# Altium PCB 0416.PcbDoc (part 2 of 3) (continued)
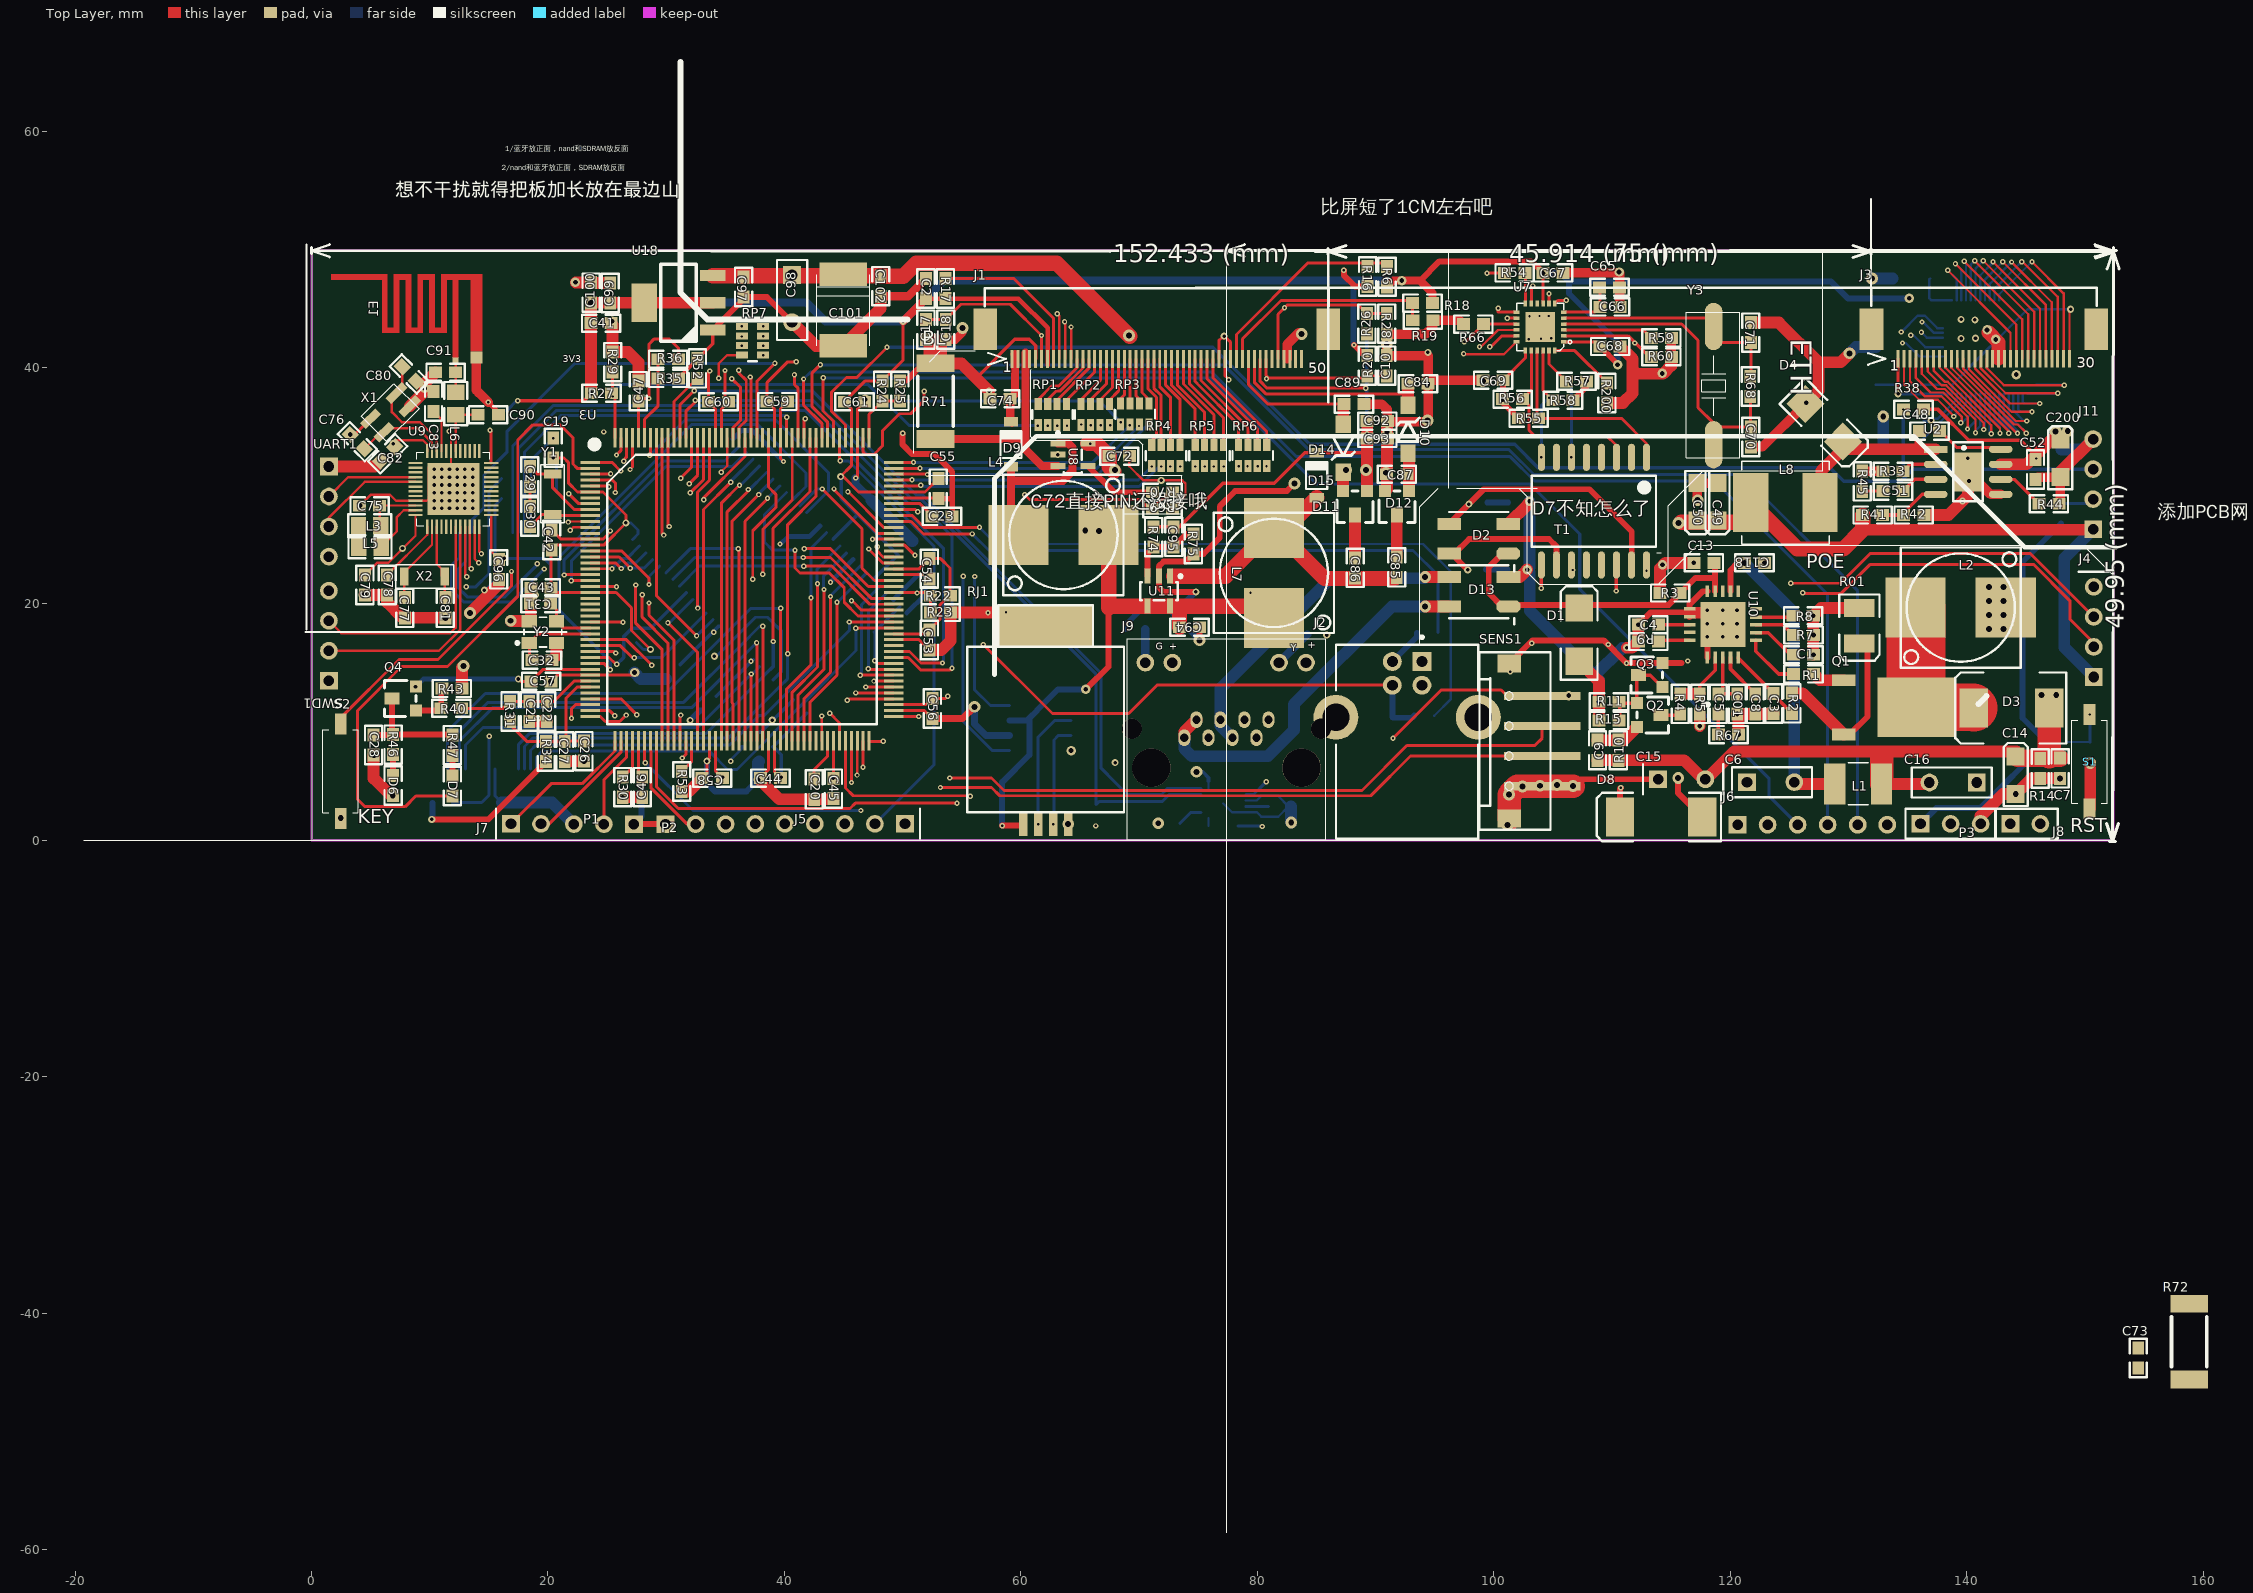
[diagram p0: Top Layer view]
## Nets (pads, with @x,y where several pads share a name; then routed paths per layer and width w, separated by ;. In a path a pad name is that pad's centre, name@x,y a point inside that pad or via, vN(x,y) a via of type N, cw(c..) or ccw(c..) an arc to the next point about the centre after c; other vN are vias at no path point) (continued)
  Top Layer w0.2: C75.1@4.075,28.3 5.025,29.25 6.625,29.25 7.15,28.725 U9.45@8.8,28.725 9.75,28.725 9.918,28.893 9.918,29.07 10.061,29.07 9.918,29.213 U9.49@9.918,29.731 ; U9.49@10.061,29.731 U9.49@9.918,29.731 ; v1(11.65,34.6) 11.8,34.45 U9.31@11.8,32.925 11.8,31.833 10.183,31.833 9.918,31.569 U9.49@9.918,29.731 ; C72.1@69.175,32.5 69.175,31.65 70.375,30.45 73.65,30.45 73.925,30.175 73.925,29.15 R69.2@72.825,28.05 ; J3.30@148.703,40.75 148.703,44.828 v3(148.8,44.925)
  Top Layer w0.25: U3.22@23.6,21.475 25.775,21.475 v1(25.8,21.45) ; J1.36@76.75,40.725 76.75,42.275 76.975,42.5 77.375,42.5 77.75,42.125 J1.38@77.75,40.725 ; v3(134.2,37.775) 134.203,37.778 J3.1@134.203,40.75
  Top Layer w0.254: v4(3.273,34.327) 3.671,34.327 X1.2@4.999,35.655 ; v3(14.625,21.175) v3@14.625,21.309 ; C21.1@18.425,10.05 C21.1@18.425,10.175 ; C30.2@18.475,28.25 C29.2@18.475,29.925 18.475,30.6 v1(18.55,30.525) ; C22.1@19.9,10.05 C22.1@20.1,10.05 ; v2(20.275,13.45) 20.8,13.975 U3.37@23.6,13.975 23.6,13.971 27.097,13.971 v4(27.326,14.201) ; C42.1@20.325,26.25 21.1,25.475 U3.14@23.6,25.475 24.65,25.475 25.3,26.125 25.3,26.153 v1(25.276,26.176) ; C58.1@33.05,5.275 33.45,5.675 v3(33.45,6.7) 33.666,6.916 U3.61@33.666,8.409 ; U3.158@34.666,34.04 34.666,36.491 C60.1@35.275,37.1 34.975,37.4 v1@34.975,39.725 ; C44.1@37.975,5.275 38.665,5.966 U3.71@38.665,8.409 ; v1(39.925,32.05) 39.665,32.31 U3.148@39.665,34.04 39.665,36.54 C59.1@40.25,37.125 ; v1(46.025,30.65) 46.166,30.791 U3.135@46.166,34.04 46.166,36.491 C61.1@46.775,37.1 ; U3.90@49.231,10.975 51.85,10.975 C56.1@52.525,10.3 ; U3.102@49.231,16.975 51.394,16.975 C53.1@52.269,16.1 ; U3.113@49.231,22.475 v1(51.919,22.475) C54.1@52.269,22.125 ; U3.126@49.231,28.975 52.95,28.975 C55.1@53.025,28.9 ; C54.1@52.147,22.003 C54.1@52.35,21.8
  Top Layer w0.3: R35.1@31.025,39.075 33.95,42 U18.1@33.95,43.175 ; 56.15,39.175 56.3,39.175 59.5,42.375 60.7,42.375 61.25,41.825 J1.5@61.25,40.725
  Top Layer w0.4: v1(14.95,37.075) 15.8,36.225 C90.1@15.8,36 ; v1(20.45,34.025) C19.2@20.45,34.05
  Top Layer w0.5: U18.1@33.95,43.175 36.55,45.775 C97.1@36.55,45.95 38.525,45.95 C98.2@40.65,43.825 ; R25.2@49.775,38.875 50.3,38.875 51.775,40.35 R71.1@52.775,40.35 ; v1(50,34.425) 50,33.475 50.8,32.675 52.7,32.675 54.2,31.175 54.2,28.875 ; C55.1@53.025,28.9 54.175,28.9 54.2,28.875 ; C23.1@54.175,27.4 54.2,27.425 54.2,28.875 ; v3(74.8,21.025) 72.05,21.025 71.675,21.4 U11.2@71.675,22.35 71.675,23.175 72.075,23.575 73.95,23.575 R75.2@74.6,24.225 75.45,24.225 76.825,25.6 76.825,28.25 78.125,29.55 82.5,29.55 v2(83.15,30.2) ; v2(75.125,16.925) C94.1@75.125,18.025 ; v1(87.325,48.225) 87.325,47.8 88.275,46.85 R16.2@89.325,46.85 ; SENS1.5@101.3,14.953 103.272,16.925 109.3,16.925 v1(111.234,14.991) Q3.2@114.266,14.991 115.891,14.991 ; 104.685,5.175 C15.1@113.9,5.175
  Top Layer w0.6: C56.1@52.525,10.3 55.075,10.3 v2(56.075,11.3)
  Top Layer w0.7: C102.1@48.15,46.025 50.475,46.025 C2.1@51.975,47.525 ; 52.75,42.35 C18.1@53.65,42.35 54.475,42.35 55.075,42.95 55.075,43.349 v2(55.078,43.352)
  Top Layer w0.8: 82.525,40.725 82.525,41.95 83.5,42.925 83.656,42.925 v2(83.754,42.827) ; C89.1@89.025,36.9 90.525,36.9 90.975,36.45 90.975,35.475 91.025,35.425 94.45,35.425 C84.2@94.45,38.625 ; R66.2@97.425,43.675 97.1,44 R19.2@94.85,44 94.85,43.45 94.225,42.825 90.975,42.825 R28.2@90.95,42.85 C10.1@90.95,41 94.45,41 C84.2@94.45,38.625 ; C69.1@99.1,38.925 94.75,38.925 C84.2@94.45,38.625 ; C67.1@105.875,48 110.65,48 C65.1@110.65,46.775 C66.1@110.65,45.15 ; R60.1@115.025,40.9 R59.1@115.025,42.5 ; v2(117.25,28.775) 117.225,28.775 C50.1@117.225,30.226 C49.1@118.925,30.226 ; C70.2@121.75,33.275 122.718,33.275 D4.1@126.359,36.916 ; R45.2@131.175,31.225 R33.2@133.05,31.225 ; U2.9@140.125,31.175 142.03,29.27 U2.5@142.875,29.27 ; C52.1@145.825,30.525 146.024,30.724 C200.1@147.925,30.724 147.925,28.6 R44.2@147.8,28.475
  Top Layer w1: UART1.1@1.475,31.625 5.375,31.625 C82.2@5.848,32.098 ; C79.2@4.525,20.75 C78.2@6.4,20.75 6.4,20.124 7.699,18.825 C77.2@7.9,18.825 C81.2@11.325,18.825 ; C28.1@5.25,7.225 5.25,5.249 6.699,3.8 D6.2@6.9,3.8 ; X1.4@8.322,36.716 9.581,37.975 9.581,38.681 C91.1@10.5,39.6 ; R43.1@12.725,12.85 12.725,14.625 v2(12.85,14.75) ; v2(13.4,19.225) 15.85,21.675 C96.2@15.85,22.075 ; v2(16.85,18.575) 16.875,18.55 Y2.4@18.425,18.55 18.55,18.675 C43.1@18.55,21.375 ; C21.1@18.425,10.05 C22.1@19.9,10.05 ; C32.1@20.35,15.25 20.725,15.625 Y2.2@20.725,16.7 ; C27.1@21.425,6.675 21.45,6.7 v2(23.05,6.7) ; v4@22.35,47.175 C100.1@23.65,47.175 ; C100.1@23.675,47.15 C99.1@25.275,47.15 ; C41.2@25.475,43.625 R29.2@25.475,41.3 26.8,41.3 27.65,40.45 C47.1@27.65,38.85 ; v4(26.325,3.65) C46.1@27.975,3.65 ; R53.1@31.325,4.125 31.9,4.125 C58.1@33.05,5.275 ; C44.1@37.975,5.275 37.975,5.074 39.574,3.475 C20.1@42.525,3.475 44.1,3.475 C45.1@44.15,3.525 ; C98.2@40.65,43.825 42.65,41.825 C101.2@44.975,41.825 48.15,45 C102.1@48.15,46.025 ; C53.1@52.269,16.1 53.275,16.1 54.069,16.894 R23.2@54.069,19.275 61.096,19.275 RJ1.5@62.172,18.199 ; R71.1@52.775,40.35 54.975,40.35 56.15,39.175 v3(57.325,38) ; D12.2@90.809,29.541 90.975,29.707 C92.1@90.975,35.475 ; R200.2@109.575,37 110.925,37 111.75,37.825 111.75,39.825 ; C68.1@110.7,41.775 111.75,40.725 111.75,39.825 ; R60.1@115.025,40.9 115.025,40.175 114.325,39.475 112.1,39.475 111.75,39.825 ; C71.2@121.75,43.8 124.125,43.8 127.475,40.45 ; D4.1@126.359,36.916 127.475,38.032 127.475,40.45 ; v2(130.1,41.2) 129.35,40.45 127.475,40.45 ; R42.2@136.375,27.525 138.475,27.525 140.125,29.175 U2.9@140.125,31.175 ; P3.3@141.18,1.4 141.18,2.055 143.049,3.924 v2(144.15,3.924) 145.451,5.225 R14.1@146.225,5.225 146.25,5.25 v2(147.9,5.25) ; C200.1@147.925,30.724 147.925,31.17 J11.4@150.7,33.945 ; S1.2@150.45,2.7 v2(150.45,6.55)
  Top Layer w1.2: v4@141.875,42.95 142.703,42.122 J3.18@142.703,40.75
  Top Layer w2: R71.1@52.775,40.844 52.775,41.831 ; SENS1.5@101.3,1.847 v2(101.3,3.875) 102.015,4.59 SENS1.1@104.1,4.59 v2(106.7,4.59)
  Signal Layer 2 w0.7: v2(55.078,43.352) v2@55.101,43.375
  Signal Layer 2 w0.8: v2@83.675,42.906 v2(83.754,42.827)
  Bottom Layer w0.2: U12.18@75.875,1.225 U12.0@75.875,1.875 ; U12.0@75.875,4.375 U12.1@75.875,5.025 ; U12.0@77.125,3.125 77.875,2.375 U12.11@79.025,2.375 79.975,2.375 80.35,2 81.775,2 82.65,2.875 81.75,3.775 80.35,3.775 79.95,3.375 U12.9@79.025,3.375 ; U6.69@141.95,41.725 145.15,44.925 U6.1@145.9,44.925 v3(148.8,44.925)
  Bottom Layer w0.25: v3@33.975,15.575 34.255,15.575 U5.12@35.652,16.973 37.555,18.875 38.575,18.875 39.375,18.075 ; v1(35.475,6.7) 35.475,6.85 C35.1@36.575,7.95 C35.1@36.35,7.95 ; v3(134.2,37.775) U6.34@138.75,37.775 138.75,38.525 U6.69@141.95,41.725
  Bottom Layer w0.254: v3(14.625,21.175) v3@14.625,21.278 ; v3@14.85,21.325 15.525,22 U4.13@15.525,26.025 15.525,28.35 C25.1@16.075,28.9 ; U4.36@15.525,6.025 15.525,3.775 C24.1@16.1,3.2 ; v1(18.55,30.525) 18.55,32.125 v1(20.45,34.025)
  Bottom Layer w0.3: U5.6@39.047,13.578 39.725,14.257 39.725,17.725 39.375,18.075 ; v2(74.85,5.8) 75.375,5.8 75.875,5.3 U12.1@75.875,5.025
  Bottom Layer w0.4: U5.28@35.652,33.943 36.384,34.675 37.275,34.675 39.875,32.075 v1@39.925,32.075 ; v1@39.663,25.037 40.321,25.696 42.114,25.696 U5.41@43.006,26.589 ; v1(43.9,21.825) U5.46@45.835,23.761 ; U5.52@49.229,20.367 51.337,22.475 v1(51.919,22.475) 51.919,20.794 U5.54@50.36,19.235
  Bottom Layer w0.5: v3(32.025,10.15) 32.875,11 C36.1@33,11 ; v3(33.45,6.7) 33.45,4.825 34.125,4.15 36.8,4.15 v4(37.775,5.125) ; R64.2@68.85,17.875 68.85,18.225 70.275,19.65 72.4,19.65 72.95,19.1 ; v3(74.8,21.025) 72.95,19.175 72.95,19.1 ; v2(75.125,16.925) 72.95,19.1
  Bottom Layer w0.6: v2(56.075,11.3) 56.075,9.845 57.055,8.865 U10.2@59.05,8.865
  Bottom Layer w0.7: v1(46.025,30.65) 46.025,30.1 C39.1@47.35,28.775
  Bottom Layer w1: C24.1@16.1,3.2 20.37,3.2 P1.3@22.195,1.375 ; v4(27.326,14.201) 27.326,14.174 27.85,13.65 C37.1@29.975,13.65 ; v4(37.775,5.125) 37.775,6.6 C34.1@37.875,6.7 ; C39.1@47.35,28.775 50.8,25.325 C40.1@50.825,25.325 ; C117.1@82.85,2.875 82.85,1.55 v2(82.875,1.525) ; v2(130.1,41.2) 130.626,41.726 C62.1@132.325,41.726 ; v2(132,47.525) C33.1@133.749,47.525 ; C63.1@132.949,33.55 v2(132.949,35.85) ; R50.1@148.025,33.075 149.83,33.075 J11.4@150.7,33.945
  other v1: 101.4,14.25 116.4,15.175 52.1,16.075 109.675,16.575 103.225,16.675 57.225,19.25 58.75,19.3 39.625,25.075 69.05,32.75 34.975,39.75 32.925,40.95 102.95,42.4 104,42.425 104.85,42.475 103.025,44.325 103.875,44.35 104.65,44.35
  other v2: 101.175,1.3 64.005,1.375 71.625,1.45 2.475,1.9 6.875,3.8 102.425,4.55 103.9,4.625 105.35,4.675 5.275,7.2 141.9,17.875 143.125,17.875 11.35,18.825 141.9,19.058 143.125,19.058 141.9,20.242 143.125,20.242 4.5,20.75 141.9,21.425 143.125,21.425 90.875,31.1 94.4,35.525 94.375,38.55 99.075,38.85 90.95,41.975
  other v3: 19.175,10.325 20.325,15.275 34.075,15.575 85.875,17.375 18.95,20.75 139.65,28.7 140.2,30.4 71.875,30.45 132.025,31.175 140.1,32.325 63.125,32.625 94.425,41.275 139.525,42.45 140.75,42.475 77.2,42.65 140.7,44.025 139.525,44.075
  other v4: 64.25,7.595 4.1,28.325 90.975,34.55 109.525,37 126.425,37.025 46.825,37.3 9.575,38.225 144.2,39.4 114.25,39.5 142.45,42.375 141.725,43.175 25.45,43.9 110.675,45.2 22.325,47.2 110.6,48.075
I2C1_SCL: R81.2 U3.164 U12.23 | length 67.2
  Top Layer w0.25: U3.164@31.666,34.04 31.666,36.291 32.5,37.125 32.475,37.15 v1(32.475,37.225)
  Bottom Layer w0.25: v1(32.475,37.225) 42.425,37.225 50.802,28.848 51.577,28.848 66.375,14.05 R81.2@66.375,3.05 66.6,3.275 71.95,3.275 72.55,3.875 U12.23@75.225,3.875
I2C1_SDA: R82.2 U3.165 U12.24 | length 66.4
  Top Layer w0.25: U3.165@31.165,34.04 31.165,36.84 32.35,38.025 v1(32.375,38.025)
  Bottom Layer w0.25: v1(32.375,38.025) 32.475,38.025 42.35,38.025 51.175,29.2 51.722,29.2 66.8,14.122 66.8,6.1 R82.2@67.975,4.925 69.012,3.887 71.888,3.887 72.375,4.375 U12.24@75.225,4.375
I2C2_SCL: J7.1 U3.45 | length 12.2
  Top Layer w0.254: J7.1@16.875,1.4 20.275,4.8 22.9,4.8 25.665,7.565 U3.45@25.665,8.409
I2C2_SDA: J7.2 U3.46 | length 10.2
  Top Layer w0.254: J7.2@19.415,1.4 20.119,1.4 26.165,7.446 U3.46@26.165,8.409
I2C3_SCL: J8.1 U3.119 | length 111.5
  Top Layer w0.254: v1(47.45,25.475) U3.119@49.231,25.475
  Signal Layer 2 w0.254: v1(47.45,25.475) 48.65,25.475 50.55,23.575 51.875,23.575 52.779,24.479 125.396,24.479 142.6,7.275 142.6,2.5 J8.1@143.7,1.4
I2C3_SDA: J8.2 U3.118 | length 109.6
  Top Layer w0.254: U3.118@49.231,24.975 50.175,24.975 51.025,24.125 v1(51.05,24.125)
  Signal Layer 2 w0.254: v1(51.05,24.125) 51.825,24.9 126.5,24.9 146.24,5.16 J8.2@146.24,1.4
KEY1: S2.2 U3.115 | length 55.2
  Top Layer w0.25: S2.2@2.475,9.85 2.475,10.375 7.4,15.3 10.7,15.3 16.925,21.525 v1(16.925,22.75) ; v1(47.125,24.65) 48.3,23.475 U3.115@49.231,23.475
  Signal Layer 1 w0.25: v1(16.925,22.75) 19.275,25.1 30.075,25.1 30.55,25.575 46.325,25.575 47.125,24.775 v1(47.125,24.65)
LCD_B0: RP2.7 U3.3 | length 49.3
  Top Layer w0.25: U3.3@23.6,30.975 v1@25.3,30.975
  Signal Layer 1 w0.25: v1(25.3,31.025) 25.6,31.025 28.627,27.998 49.453,27.998 49.8,28.345 52.575,28.345 52.895,28.025 61.897,28.025 66.327,32.454 66.327,33.902 v1(67.55,35.125)
LCD_B1: RP2.5 U3.155 | length 38.8
  Top Layer w0.25: v1(36.15,39.775) 36.15,39.536 36.775,38.911 36.775,35.525 36.165,34.915 U3.155@36.165,34.04
  Signal Layer 1 w0.25: v1(36.15,39.775) 38.525,39.775 41.75,36.55 65.325,36.55 v1(66.75,35.125)
LCD_B2: RP2.3 U3.153 | length 35.7
  Top Layer w0.25: v1(37.125,39.2) 37.165,39.16 U3.153@37.165,34.04
  Signal Layer 1 w0.25: v1(37.125,39.2) 37.975,39.2 40.977,36.198 64.852,36.198 v1(65.925,35.125)
LCD_B3: RP2.1 U3.154 | length 43.8
  Top Layer w0.25: v1(33.175,28.8) 33.175,28.975 36.666,32.466 U3.154@36.666,34.04
  Signal Layer 1 w0.25: v1(33.175,28.8) 33.575,28.4 49.15,28.4 49.447,28.697 53.152,28.697 53.35,28.498 61.873,28.498 65.1,31.725 v1(65.1,35.175)
LCD_B4: RP1.7 U3.173 | length 41.2
  Top Layer w0.25: v1(26.95,31.375) 27.165,31.59 U3.173@27.165,34.04
  Signal Layer 1 w0.25: v1(26.95,31.375) 28.8,31.375 30,32.575 61.4,32.575 v1(63.9,35.075)
LCD_B5: RP1.5 U3.174 | length 40
  Top Layer w0.25: v1(26.425,32.075) 26.419,32.075 26.36,32.135 26.666,32.441 U3.174@26.666,34.04
  Signal Layer 1 w0.25: v1(26.425,32.075) 27.45,33.1 61.1,33.1 v1(63.075,35.075)
LCD_B6: RP1.3 U3.175 | length 39.1
  Top Layer w0.25: v1(25.8,32.6) 26.165,32.965 U3.175@26.165,34.04 ; RP1.3@62.275,34.975 RP1.3@62.275,35.025
  Signal Layer 1 w0.25: v1(25.8,32.6) 26.85,33.65 60.85,33.65 v1(62.275,35.075)
LCD_B7: R27.1 R29.1 RP1.1 U3.176 | length 44
  Top Layer w0.25: R27.1@25.375,37.825 25.665,37.535 U3.176@25.665,34.04 ; v1(25.475,37.55) R29.1@25.475,39.6
  Bottom Layer w0.25: v1(25.475,37.55) 25.475,37.925 26.1,38.55 47.1,38.55 50.575,35.075 v1(61.425,35.075)
LCD_BL: R69.1 R70.1 U3.1 | length 52.7
  Top Layer w0.25: U3.1@23.6,31.975 25.425,31.975 v1(26.15,31.25) ; v1(60.325,29.225) 60.725,28.825 70.075,28.825 70.85,28.05 R69.1@71.125,28.05 72.525,29.45 R70.1@72.825,29.45
  Signal Layer 1 w0.25: v1(26.15,31.25) 26.725,30.675 28.725,30.675 30.05,32 37.725,32 40.677,29.048 60.148,29.048 v1(60.325,29.225)
LCD_CLK: RP7.7 U3.111 | length 31.6
  Top Layer w0.2: v1(34.45,39.1) 34.45,40.325 35.175,41.05 RP7.7@36.4,41.05
  Top Layer w0.25: v1(41.675,24.675) 43.9,24.675 47.1,21.475 U3.111@49.231,21.475
  Signal Layer 2 w0.2: v1(34.45,39.1) 33.675,38.325 33.675,30.725 38.275,26.125 40.225,26.125 v1(41.675,24.675)
LCD_DE: RP7.1 U3.28 | length 34.8
  Top Layer w0.2: v1@26.325,18.475 v1(26.35,18.45)
  Top Layer w0.25: U3.28@23.6,18.475 v1@26.325,18.475
  Signal Layer 2 w0.2: v1(26.35,18.45) 27.725,18.45 29.75,20.475 29.75,22.975 29,23.725 29,31.375 29.75,32.125 29.75,39.275 33.95,43.475 v1(36.4,43.475)
LCD_G0: RP4.7 U3.4 | length 58
  Top Layer w0.25: U3.4@23.6,30.475 25.45,30.475 25.7,30.225 v1@25.7,29.475
  Signal Layer 1 w0.25: v1(25.7,29.425) 28.128,26.997 30.058,26.997 30.063,27.002 30.437,27.002 30.442,26.997 51.608,26.997 51.612,27.002 57.373,27.002 60.875,23.5 67.85,23.5 73.475,29.125 v1(73.475,31.625)
LCD_G1: RP4.5 U3.5 | length 56
  Top Layer w0.25: U3.5@23.6,29.975 25.1,29.975 v1(25.15,29.925)
  Signal Layer 1 w0.25: v1(25.15,29.925) 26.05,29.925 28.627,27.348 29.913,27.348 29.917,27.353 51.083,27.353 51.088,27.348 51.462,27.348 51.467,27.353 57.519,27.353 57.572,27.3 58,27.3 61.15,24.15 67.65,24.15 72.65,29.15 v1(72.65,31.625)
LCD_G2: RP4.3 U3.128 | length 23.4
  Top Layer w0.25: U3.128@49.231,29.975 51.471,29.975 v1(51.523,30.027)
  Signal Layer 1 w0.25: v1(51.523,30.027) v1@51.524,30.025
  Bottom Layer w0.25: v1(51.523,30.027) 51.626,29.923 70.012,29.923 v1@71.714,31.625 ; v1@71.714,31.525 v1@71.875,31.525
  other v1: 71.875,31.625
LCD_G3: RP4.1 U3.129 | length 22.3
  Top Layer w0.25: U3.129@49.231,30.475 50.775,30.475 v1(50.8,30.5)
  Bottom Layer w0.25: v1(50.8,30.5) 50.802,30.498 52.287,30.498 52.289,30.5 68.453,30.5 69.95,30.5 v1(71.075,31.625)
LCD_G4: RP3.7 U3.130 | length 23.3
  Top Layer w0.25: U3.130@49.231,30.975 52.075,30.975 v1(52.1,30.95)
  Bottom Layer w0.25: v1(52.1,30.95) 66.539,30.95 70.614,35.025 v1(70.825,35.025)
LCD_G5: RP3.5 U3.131 | length 22.2
  Top Layer w0.25: U3.131@49.231,31.475 v1(51.475,31.475)
  Bottom Layer w0.25: v1(51.475,31.475) 66.425,31.475 v1(70,35.05)
LCD_G6: RP3.3 U3.132 | length 21.3
  Top Layer w0.25: U3.132@49.231,31.975 v1(50.925,31.975)
  Bottom Layer w0.25: v1(50.925,31.975) 66.075,31.975 v1(69.2,35.1)
LCD_G7: R24.1 R25.1 RP3.1 U3.133 | length 24.5
  Top Layer w0.25: U3.133@47.166,34.04 47.166,36.041 R24.1@48.3,37.175 v1(49.775,37.175)
  Bottom Layer w0.25: v1(49.775,37.175) 66.65,37.175 v1(68.45,35.375)
LCD_HS: RP7.5 U3.12 | length 27.4
  Top Layer w0.2: v1(21.9,26.225) 22.15,26.475 U3.12@23.6,26.475
  Signal Layer 1 w0.2: v1(21.9,26.225) 22.525,26.85 22.525,30.6 26.45,34.525 26.45,38.725 29.55,41.825 v1(36.4,41.825)
LCD_LR: J1.39 R6.1 R16.1 | length 17.4
  Top Layer w0.25: J1.39@78.25,40.725 78.25,42.8 84.3,48.85 90.65,48.85 R6.1@90.975,48.525
LCD_R0: RP6.7 U3.43 | length 74.6
  Top Layer w0.25: U3.43@23.6,10.975 25.225,10.975 v1(25.65,10.55)
  Signal Layer 1 w0.25: v1(25.65,10.55) 33.225,2.975 46.286,2.975 46.288,2.977 46.662,2.977 46.664,2.975 53.325,2.975 81.9,31.55 v1@80.775,31.55
  other v1: 80.775,31.65
LCD_R1: RP6.5 U3.44 | length 72.3
  Top Layer w0.25: U3.44@23.6,10.475 24.425,10.475 24.852,10.048 26.073,10.048 v1(26.625,10.6)
  Signal Layer 1 w0.25: v1(26.625,10.6) 33.85,3.375 53,3.375 80.025,30.4 v1@80.025,31.675
  other v1: 80.025,31.65
LCD_R2: RP6.3 U3.85 | length 48.9
  Top Layer w0.25: U3.85@45.665,8.409 45.665,4.91 v1(45.675,4.9)
  Signal Layer 1 w0.25: v1(45.675,4.9) 52.425,4.9 53.252,5.727 54.577,5.727 79.175,30.325 v1(79.175,31.65)
LCD_R3: RP6.1 U3.86 | length 46.7
  Top Layer w0.25: v1(46.15,5.525) 46.166,5.541 U3.86@46.166,8.409
  Signal Layer 1 w0.25: v1(46.15,5.525) 52.553,5.525 53.106,6.078 54.028,6.078 78.425,30.475 v1(78.425,31.65)
LCD_R4: RP5.7 U3.87 | length 44.4
  Top Layer w0.25: v1(46.65,6.175) 46.665,6.19 U3.87@46.665,8.409
  Signal Layer 1 w0.25: v1(46.65,6.175) 46.625,6.2 52.731,6.2 52.96,6.43 53.73,6.43 77.175,29.875 v1@77.175,31.675
  other v1: 77.175,31.625
LCD_R5: RP5.5 U3.88 | length 40
  Top Layer w0.25: U3.88@47.166,8.409 47.2,8.375 v1(48.375,8.375)
  Signal Layer 1 w0.25: v1(48.375,8.375) 55.125,8.375 76.325,29.575 v1(76.325,31.625)
LCD_R6: RP5.3 U3.89 | length 36.4
  Top Layer w0.25: U3.89@49.231,10.475 v1(51.375,10.475)
  Signal Layer 1 w0.25: v1(51.375,10.475) 56.575,10.475 75.55,29.45 v1(75.55,31.625)
LCD_R7: R22.1 R23.1 RP5.1 U3.110 | length 34.1
  Top Layer w0.254: U3.110@49.231,20.975 52.094,20.975 R22.1@52.369,20.7 R23.1@52.369,19.275 R23.1@52.369,19.2
  Signal Layer 1 w0.254: v1(51.225,20.925) 66.5,20.925 74.75,29.175 v1(74.75,31.625)
LCD_RST: C10.2 J1.44 R20.2 U3.134 | length 56
  Top Layer w0.25: U3.134@46.665,34.04 46.665,32.835 46.85,32.65 47.575,32.65 48.3,33.375 48.3,34.65 49.738,36.088 50.688,36.088 51.825,37.225 v1(51.825,38) ; J1.44@80.75,40.725 80.75,39.325 80.975,39.1 89.1,39.1 R20.2@89.3,39.3 C10.2@90.95,39.3
  Signal Layer 1 w0.25: v1(51.825,38) 54.373,40.548 65.348,40.548 68.475,43.675 71.2,43.675 77.175,37.7 79.425,37.7 v1(80.775,39.05)
LCD_UD: J1.40 R18.1 R19.1 | length 19
  Top Layer w0.25: J1.40@78.75,40.725 78.75,42.425 82,45.675 92.9,45.675 R18.1@93.125,45.45 93.125,44.025 R19.1@93.15,44
LCD_VS: RP7.3 U3.11 | length 27.8
  Top Layer w0.2: v1(21.725,26.925) 21.775,26.975 U3.11@23.6,26.975
  Signal Layer 1 w0.2: v1(21.725,26.925) 22.2,27.4 22.2,30.975 26.025,34.8 26.025,39.3 29.35,42.625 v1(36.4,42.625)
LED0: D7.2 U3.2 | length 56.4
  Top Layer w0.25: D7.2@11.925,3.75 8.825,3.75 7.925,2.85 4.525,2.85 3.9,3.475 3.9,10.975 7.625,14.7 11.5,14.7 17.45,20.65 17.45,33.875 18.725,35.15 21.025,35.15 22.113,34.062 22.113,31.838 22.475,31.475 U3.2@23.6,31.475
LINK_LED: J9.12 R59.2 U7.3 | length 60.1
  Top Layer w0.254: U7.3@105.925,43.175 112.65,43.175 R59.2@113.325,42.5
  Signal Layer 1 w0.254: J9.12@84.121,15.036 85.161,15.036 88.2,18.075 109.175,18.075 112.025,20.925 112.025,41.175 v1(113.325,42.475)
NetC1_1: C1.1 U10.17 | length 4
  Top Layer w0.3: U10.17@122.175,17.575 123.225,17.575 125.1,15.7 C1.1@125.35,15.7
NetC01_1: C01.1 C5.1 U10.13 | length 4.8
  Top Layer w0.3: U10.13@119.375,15.475 119.375,12.775 C5.1@119,12.4 C01.1@120.6,12.4
NetC3_1: C3.1 R2.2 U10.15 | length 6.6
  Top Layer w0.3: U10.15@120.675,15.475 120.675,15.425 C3.1@123.675,12.425 123.675,12.3 R2.2@125.225,10.75
NetC4_1: C4.1 U10.8@116.575,18.25 | length 2.7
  Top Layer w0.3: C4.1@113.925,18.25 U10.8@116.575,18.25
NetC5_2: C5.2 R67.2 | length 1.8
  Top Layer w0.3: C5.2@119,10.7 119,9.025 R67.2@119.075,8.95
NetC6_2: C6.2 C118.2 L1.1 U10.2@120.025,21.075 | length 26.6
  Top Layer w0.5: U10.2@120.025,21.075 120.025,22.85 120.65,23.475 v2(121.2,23.475)
  Top Layer w1: C6.2@125.65,4.775 L1.1@128.844,4.775
  Bottom Layer w1: v2(121.2,23.475) 125.425,19.25 C6.2@125.425,5
NetC8_1: C8.1 U10.14 | length 3.9
  Top Layer w0.3: U10.14@120.025,15.475 120.025,14.5 C8.1@122.125,12.4
NetC9_2: C9.2 Q2.2 R10.1 | length 3.8
  Top Layer w1: C9.2@108.775,8.475 R10.1@110.55,8.475 111,8.475 Q2.2@112.109,9.584
NetC11_1: C11.1 R12.2 | length 1.8
  Bottom Layer w0.5: C11.1@99.45,28.575 R12.2@101.225,28.575
NetC11_2: C11.2 D2.3 T1.15 | length 20.1
  Top Layer w0.5: D2.3@96.225,26.775 99.15,29.7 108.1,29.7 111.675,26.125 T1.15@111.675,24.125
  other v3: 97.9,28.45
NetC12_1: C12.1 R13.2 | length 1.8
  Bottom Layer w0.5: C12.1@99.35,22.9 R13.2@101.15,22.9
NetC12_2: C12.2 D2.4 T1.10 | length 13.4
  Top Layer w0.5: D2.4@96.225,24.275 D2.4@96.4,24.275 ; v3(97.8,22.875) D2.4@96.4,24.275 ; T1.10@105.3,23.3 105.3,24.875 104.675,25.5 97.925,25.5 96.7,24.275 D2.4@96.4,24.275
NetC13_1: C13.1 D1.2 D2.1 D13.1 R3.1 U10.4@118.725,21.075 | length 27.4
  Top Layer w0.5: D2.1@101.225,24.275 100.75,24.275 99.575,23.1 99.575,20.925 100.725,19.775 D13.1@101.25,19.775 101.4,19.925 114.8,19.925 115.775,20.9 R3.1@115.775,20.925 117.05,22.2 118.725,22.2 ; C13.1@118.625,23.475 118.725,23.375 118.725,22.2 ; U10.4@118.725,21.075 118.725,22.2
NetC17_2: C17.2 C18.2 J1.6 J1.46 R26.1 R28.1 | length 48.5
  Top Layer w0.25: C17.2@51.975,44.05 C18.2@53.65,44.05 54.95,45.35 59.1,45.35 v1(61.75,42.7) J1.6@61.75,40.725 ; J1.46@81.75,40.725 81.75,44.5 v1(82.3,45.05) 82.525,45.275 88.55,45.275 R26.1@89.275,44.55 R28.1@90.95,44.55
  Signal Layer 1 w0.25: v1(61.75,42.7) 64.85,42.7 67.2,45.05 v1(82.3,45.05)
NetC20_2: C20.2 U3.81 | length 3.7
  Top Layer w0.254: C20.2@42.525,5.175 42.525,6 43.665,7.14 U3.81@43.665,8.409
NetC23_2: C23.2 U3.125 | length 3.9
  Top Layer w0.254: U3.125@49.231,28.475 51.475,28.475 C23.2@52.625,27.325
NetC24_2: C24.2 C25.2 R32.1 U4.12 U4.37 | length 32.6
  Signal Layer 2 w0.254: v1(13.1,21.45) 15.025,19.525 v1(15.025,8.8)
  Bottom Layer w0.254: R32.1@11.925,3.175 11.95,3.2 C24.2@14.4,3.2 15.025,3.825 U4.37@15.025,6.025 v1(15.025,8.8) ; v1(13.1,21.45) 13.9,21.45 15.025,22.575 U4.12@15.025,26.025 15.025,29.55 C25.2@16.075,30.6
NetC31_1: C31.1 U3.29 Y2.3 | length 4.8
  Top Layer w0.254: C31.1@20.225,20.025 20.725,19.525 Y2.3@20.725,18.55 21.3,17.975 U3.29@23.6,17.975
NetC32_2: C32.2 U3.30 Y2.1 | length 7.1
  Top Layer w0.254: C32.2@18.575,15.15 18.425,15.3 Y2.1@18.425,16.7 19.2,17.475 U3.30@23.6,17.475
NetC33_2: C33.2 R51.1 U6.52 | length 3.7
  Bottom Layer w0.2: C33.2@136.924,47.525 136.85,47.451 R51.1@136.85,45.85 137.025,45.675 U6.52@138.75,45.675
NetC48_1: C48.1 U2.8 | length 6.2
  Top Layer w0.25: C48.1@137.45,34.95 139.15,33.25 142.705,33.25 U2.8@142.875,33.08
NetC48_2: C48.2 D4.2 L8.2 U2.1 | length 15.9
  Top Layer w0.3: 135.675,33.08 135.75,33.155 C48.2@135.75,34.95 ; U2.1@137.375,33.08 U2.1@137.375,33.15
  Top Layer w1: L8.2@127.696,27.75 127.696,31.271 129.505,33.08 135.675,33.08 U2.1@137.375,33.08
NetC51_1: C51.1 R45.1 | length 1.8
  Top Layer w0.25: R45.1@131.175,29.525 131.2,29.55 C51.1@132.925,29.55
NetC51_2: C51.2 U2.3 | length 3.2
  Top Layer w0.3: C51.2@134.625,29.55 135.615,30.54 U2.3@137.375,30.54
NetC62_2: C62.2 U6.35 | length 5.7
  Bottom Layer w0.2: C62.2@132.325,38.551 132.351,38.525 U6.35@138,38.525
NetC63_2: C63.2 U6.32 | length 5.7
  Bottom Layer w0.2: C63.2@136.149,33.525 136.149,33.774 139.55,37.175 U6.32@139.55,37.775
NetC65_2: C65.2 C66.2 U7.6 | length 4.9
  Top Layer w0.25: U7.6@105.925,44.675 108.525,44.675 C66.2@108.975,45.125 108.975,46.75 C65.2@108.95,46.775